# EAGLE board bat_mini_grr (EAGLE 9.1.0)
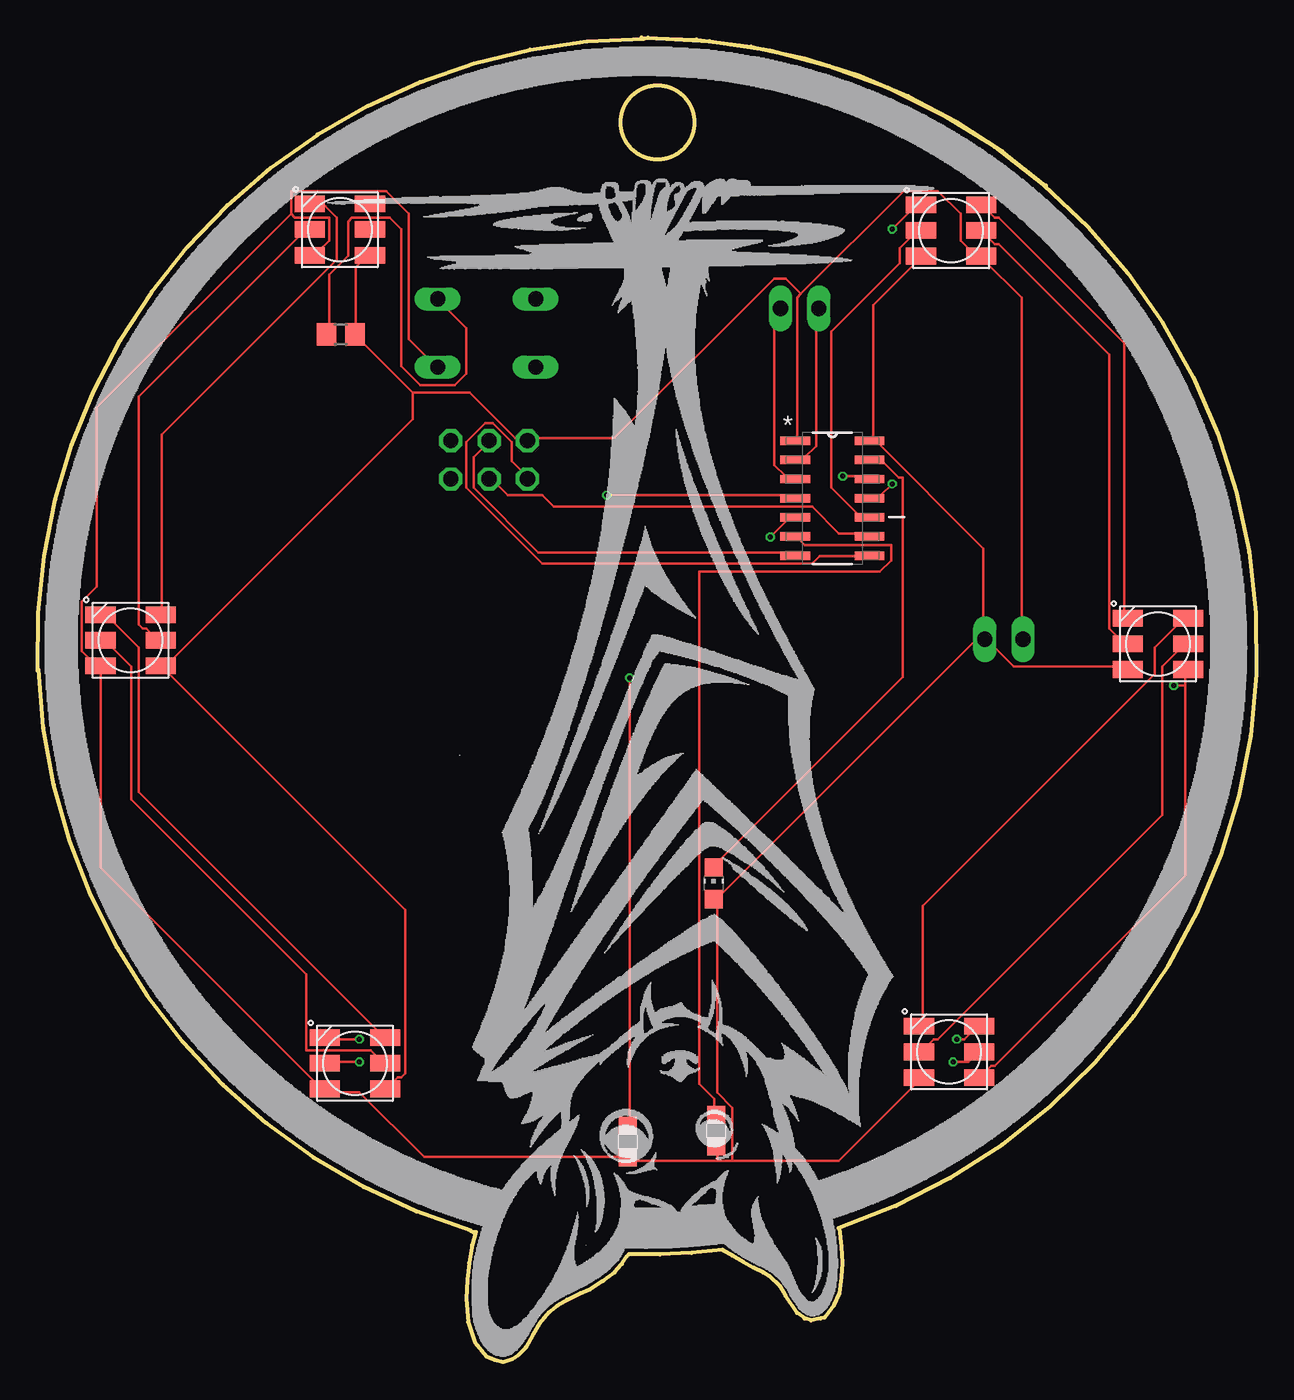
[diagram p0: board, top side]
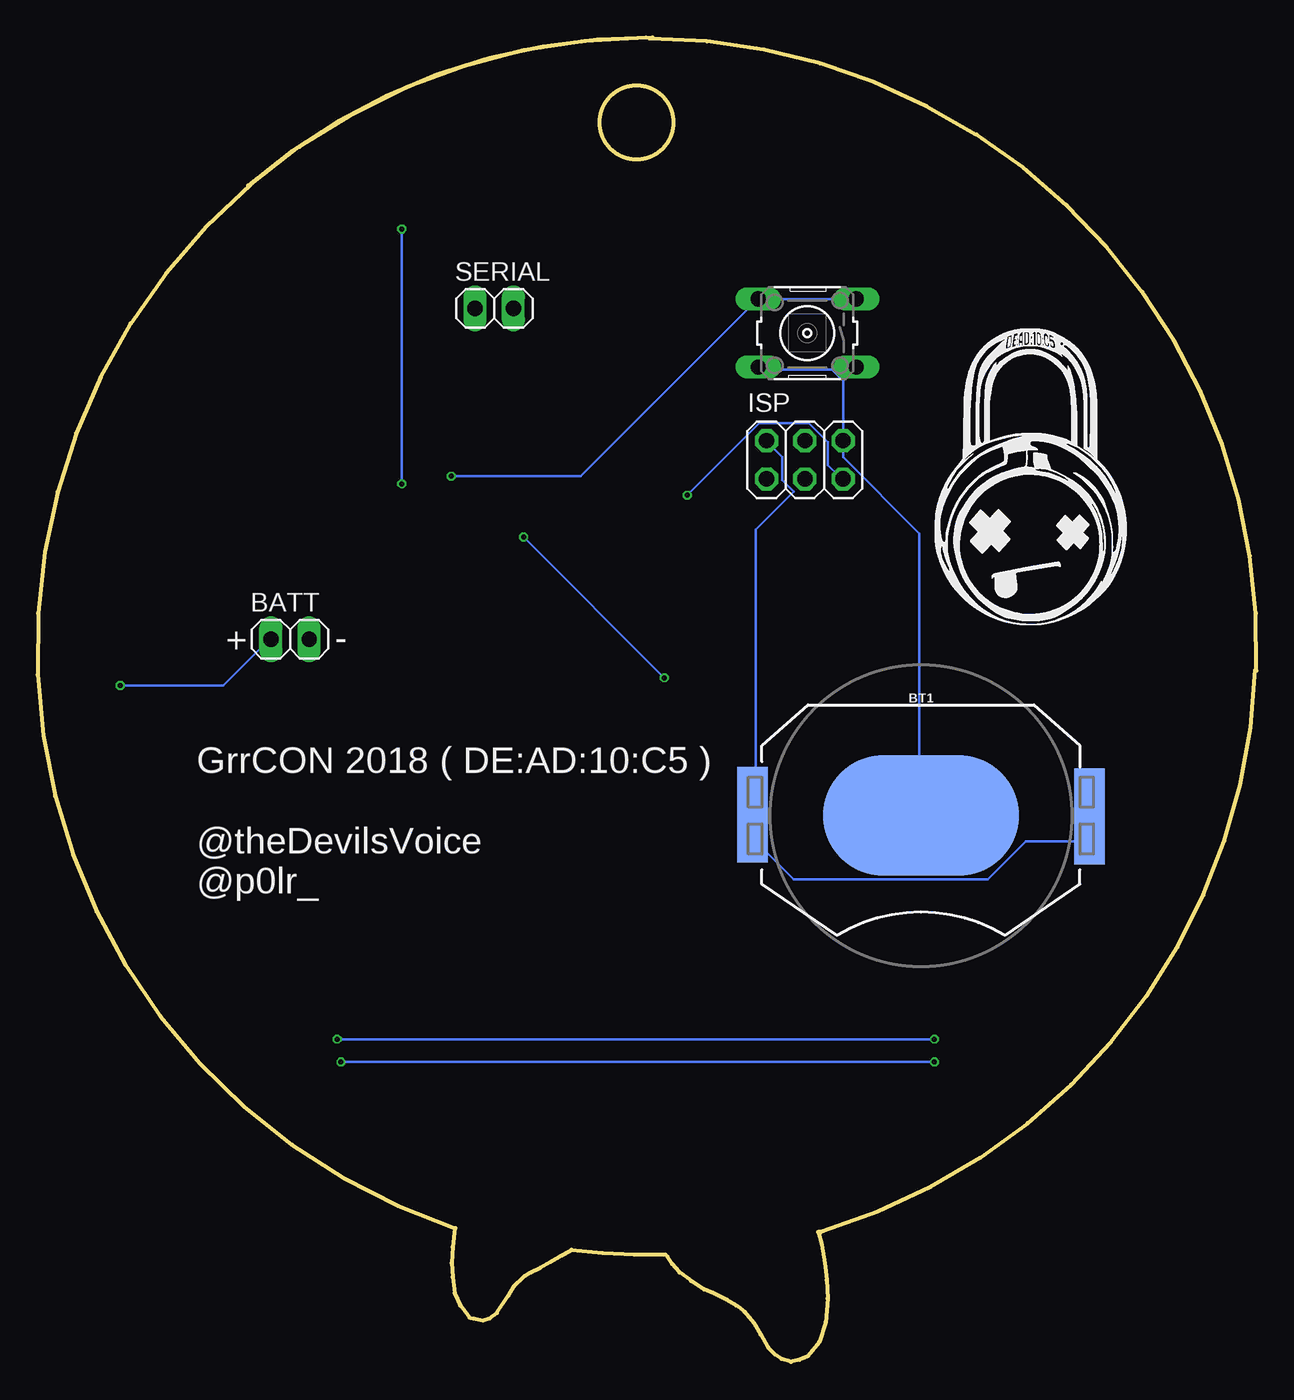
[diagram p1: board, bottom side, seen from below]

Size 80.84 x 87.88 mm. Coordinates in mm from the lower left corner, seen from the top.
Outline: 40.5,87.88 arc-161 53.12,8.88
Outline: 40.06,87.88 arc-41 66.88,78.06
Outline: 0,45.88 arc-92 40.25,87.81
Outline: 28.75,8.69 arc-71 0.06,45.94
Outline: 45.44,7.44 arc-9 39.19,7.13
Outline: 28.88,8.63 29.06,8.63 28.81,7.75 28.62,6.56 28.5,5.44 28.44,4.19 28.56,2.63 29,1.31 29.75,0.38 30.31,0.13 30.88,0 31.5,0.19 31.94,0.5 32.38,0.94 32.88,1.81 33.31,2.56 33.94,3.31 34.5,3.75 35.12,4.13 36,4.56 36.62,4.81 37.5,5.38 38.25,5.94 38.75,6.5 39.06,7
Outline: 53.19,8.88 53.31,7.63 53.38,6.56 53.31,5.63 53.19,4.56 52.81,3.75 52.19,2.94 51.94,2.88 51.31,2.75 50.88,2.88 50.38,3.25 49.62,4.38 49.25,5 48.56,5.69 48.12,5.94 47.5,6.25 46.81,6.63 46.06,7.06 45.5,7.38
Outline: circle at 41.12,82.25 radius 2.44
Copper layers (1*16): Top 0.035559375mm / dielectric 1.6mm / Bottom 0.035559375mm
Design rules "oshpark-2layer": minimum track width 6mil, minimum drill 10mil, track to track 6mil, track to pad 6mil, pad to pad 6mil, via to via 6mil, smd to smd 6mil, copper to edge 15mil, drill to drill 6mil, minimum pad ring 5mil, minimum via ring 5mil, stop-mask expansion 2.5mil, vias tented up to drill 0mil, thermal gap 10mil

## Footprints (pad centres in the part's own frame; a part is rotated, then mirrored left to right if it is on the bottom)
SOIC127P600X175-14N = smd 1.981 x 0.559: 1 -2.464,3.81; 2 -2.464,2.54; 3 -2.464,1.27; 4 -2.464,0; 5 -2.464,-1.27; 6 -2.464,-2.54; 7 -2.464,-3.81; 8 2.464,-3.81; 9 2.464,-2.54; 10 2.464,-1.27; 11 2.464,0; 12 2.464,1.27; 13 2.464,2.54; 14 2.464,3.81
1X02 = drill 1.016 long: 1 -1.27,0; 2 1.27,0
BATTCON_20MM_4LEGS = smd 13 x 8: NEGATIVE 0,0 | smd 2.032 x 3.175: POSITIVE@1 -11.176,1.651; POSITIVE@2 -11.176,-1.524; POSITIVE@3 11.176,1.524; POSITIVE@4 11.176,-1.651
CHIP-LED0805 = smd 1.2 x 1.2: A 0,-1.05; C 0,1.05
2X03 = drill 1.016 octagon: 1 -2.54,-1.27; 2 -2.54,1.27; 3 0,-1.27; 4 0,1.27; 5 2.54,-1.27; 6 2.54,1.27
R0805 = smd 1.3 x 1.5: 1 -0.95,0; 2 0.95,0
B3F-10XX = drill 1.016 long: 1 -3.251,2.261; 2 3.251,2.261; 3 -3.251,-2.261; 4 3.251,-2.261
APA102_5050 = smd 2 x 1.1: 1 2,-1.7; 2 2,0; 3 2,1.7; 4 -2,1.7; 5 -2,0; 6 -2,-1.7

## Placement (x,y rotation side)
...  ATTINY84-20SSU  [SOIC127P600X175-14N]  52.72,57.31 0 top
BATT  BATT  [1X02]  64.1,47.96 0 bottom
BT1  CR2032  [BATTCON_20MM_4LEGS]  22.25,36.25 0 bottom
HEART  0805  [CHIP-LED0805]  44.85,31.75 0 top
ISP  .  [2X03]  29.95,59.86 0 bottom
LEFT_EYE  0805  [CHIP-LED0805]  39.13,14.61 0 top
R1  470Ω  [R0805]  20.11,68.19 0 top
RIGHT_EYE  0805  [CHIP-LED0805]  45.01,15.34 0 top
S1  omron  [B3F-10XX]  29.79,68.28 180 bottom
SERIAL  pinhead 1x02  [1X02]  50.55,69.91 0 bottom
U$1  APA1025050  [APA102_5050]  60.59,75.08 0 top
U$2  APA1025050  [APA102_5050]  74.32,47.64 0 top
U$3  APA1025050  [APA102_5050]  60.46,20.57 0 top
U$5  APA1025050  [APA102_5050]  21.05,19.81 0 top
U$6  APA1025050  [APA102_5050]  6.16,47.89 0 top
U$7  APA1025050  [APA102_5050]  20.05,75.14 0 top

## Library data of the parts
... = Atmel_By_element14_Batch_1-00; OC_FARNELL: 1636955; OC_NEWARK: 03P2040; PACKAGE: SOIC-14; SUPPLIER: Atmel
BATT ISP SERIAL = pinhead
BT1 = SF_Batteries; PROD_ID: BATT-10373; SF_SKU: PRT-11892
HEART LEFT_EYE RIGHT_EYE = led
R1 = resistor
S1 = switch-omron; MPN: B3F-1000; OC_FARNELL: 176432; OC_NEWARK: 36M3542
U$1-U$3 U$5-U$7 = jos-ph

## Nets
GND: ....14 BATT.2 BT1.NEGATIVE HEART.A ISP.6 LEFT_EYE.A RIGHT_EYE.A S1.1 S1.2 U$1.6 U$2.6 U$3.6 U$5.6 U$6.6 U$7.6
N$1: ....2 SERIAL.1
N$2: ....5 LEFT_EYE.C
N$3: ....8 ISP.1
N$4: ....7 ISP.4
N$5: ....9 ISP.3
N$6: ....4 ISP.5
N$7: ....6 RIGHT_EYE.C
N$8: ....13 HEART.C
N$9: ....11 U$1.4
N$10: ....10 U$1.5
N$11: U$2.3 U$3.4
N$12: ....12 R1.1 S1.3 S1.4
N$13: U$1.3 U$2.4
N$14: U$1.2 U$2.5
N$15: ....3 SERIAL.2
N$16: U$2.2 U$3.5
N$19: U$5.3 U$6.4
N$20: U$5.2 U$6.5
N$21: U$6.3 U$7.4
N$22: U$6.2 U$7.5
N$23: U$3.3 U$5.4
N$24: U$3.2 U$5.5
VCC: ....1 BATT.1 BT1.POSITIVE@1 BT1.POSITIVE@2 BT1.POSITIVE@3 BT1.POSITIVE@4 ISP.2 R1.2 U$1.1 U$2.1 U$3.1 U$5.1 U$6.1 U$7.1

## Tracks (layer width: path | path; a pad name or v marks a point on that pad's centre or on a via)
GND
  Top 0.152: U$2.6 72.08,46.15 64.76,46.15 62.99,47.92 BATT.2 | 55.42,61.29 55.42,70.13 58.45,73.16 U$1.6 | 55.42,61.29 62.74,53.97 62.74,48.17 BATT.2 | 55.42,61.29 ....14 | 16.8,76.18 17.06,75.93 19.33,75.93 19.33,74.42 18.57,73.66 18.07,73.66 U$7.6 | 16.8,76.18 16.8,77.7 23.11,77.7 24.63,76.18 24.63,67.85 26.4,66.09 S1.1 | 46.08,13.34 53.15,13.34 58.45,18.64 U$3.6 | 46.08,13.34 45.07,13.34 | 45.07,13.34 39.27,13.34 LEFT_EYE.A 39.02,13.59 25.64,13.59 21.35,17.88 19.08,17.88 U$5.6 18.82,18.13 4.18,32.77 4.18,46.15 U$6.6 3.93,46.15 2.92,47.16 2.92,50.44 3.93,51.45 3.93,63.31 16.8,76.18 | 46.08,13.34 46.08,16.87 45.07,17.88 45.07,30.5 HEART.A 45.07,30.75 62.24,47.92 62.74,47.92 BATT.2 | 45.07,13.34 45.07,14.09 RIGHT_EYE.A
  Bottom 0.152: 27.41,65.08 27.41,61.29 ISP.6 27.41,61.04 27.41,60.03 22.36,54.98 22.36,36.3 BT1.NEGATIVE 22.11,36.05 | 27.41,65.08 26.65,65.84 S1.1 | 27.41,65.08 28.16,65.84 32.96,65.84 S1.2
N$1
  Top 0.152: ....2 50.37,60.03 50.88,60.03 51.64,60.79 51.64,69.87 SERIAL.1
N$2  (via drill 0.33)
  Top 0.152: v39.27,45.39 39.27,15.86 LEFT_EYE.C | v48.61,54.73 50.12,56.24 ....5
  Bottom 0.152: v48.61,54.73 v39.27,45.39
N$3
  Top 0.152: ....8 55.17,53.47 51.89,53.47 51.38,52.96 33.46,52.96 28.41,58.01 28.41,61.04 29.68,62.3 30.18,62.3 31.44,61.04 31.44,59.78 32.45,58.77 ISP.1
N$4
  Top 0.152: ....7 50.12,53.72 33.21,53.72 28.92,58.01 28.92,60.03 29.93,61.04 ISP.4
N$5
  Top 0.152: ....9 55.17,54.98 53.15,54.98 51.38,56.75 34.22,56.75 33.46,57.51 31.19,57.51 30.18,58.52 ISP.3
N$6  (via drill 0.33)
  Top 0.152: v37.75,57.51 50.12,57.51 ....4
  Bottom 0.152: v37.75,57.51 32.96,62.3 29.68,62.3 28.41,61.04 28.41,59.53 27.66,58.77 ISP.5
N$7
  Top 0.152: RIGHT_EYE.C 44.88,16.44 44.88,17.44 43.88,18.44 43.88,52.44 55.88,52.44 56.62,53.19 56.62,54.19 50.88,54.19 50.38,54.69 ....6
N$8
  Top 0.152: HEART.C 44.88,32.94 57.38,45.44 57.38,58.69 57.12,58.69 56.12,59.69 55.38,59.69 ....13
N$9  (via drill 0.33)
  Top 0.152: v56.68,58.26 55.93,57.51 55.42,57.51 ....11 | v56.68,75.17 58.45,76.94 U$1.4
  Bottom 0.152: v56.68,75.17 v56.68,58.26
N$10
  Top 0.152: ....10 55.17,56.24 54.41,56.24 52.65,58.01 52.65,68.36 57.19,72.9 57.19,73.91 58.45,75.17 U$1.5
N$11
  Top 0.152: U$3.4 58.7,22.42 58.7,30.25 74.1,45.64 74.1,47.41 76.12,49.43 U$2.3
N$12  (via drill 0.33)
  Top 0.152: R1.1 19.33,68.36 19.33,72.15 20.59,73.41 20.59,75.68 20.84,75.93 23.37,75.93 24.12,75.17 24.12,66.09 25.39,64.83 27.66,64.83 28.41,65.58 28.41,68.61 26.65,70.38 S1.3 | v53.4,58.77 55.17,58.77 ....12
  Bottom 0.152: S1.3 26.68,70.53 32.93,70.53 S1.4 33.21,70.38 44.82,58.77 v53.4,58.77
N$13
  Top 0.152: U$1.3 62.74,76.69 63.5,75.93 63.75,75.93 72.08,67.6 72.08,49.43 U$2.4
N$14
  Top 0.152: U$1.2 62.74,74.92 63.5,74.16 63.75,74.16 71.07,66.85 71.07,48.67 72.08,47.66 U$2.5
N$15
  Top 0.152: ....3 50.12,58.77 49.62,58.77 48.86,59.53 48.86,69.62 49.11,69.87 SERIAL.2
N$16
  Top 0.152: U$3.5 58.7,20.66 59.46,21.41 59.71,21.41 74.61,36.3 74.61,46.15 76.12,47.66 U$2.2
N$19
  Top 0.152: U$6.4 4.18,49.43 4.69,49.43 6.71,47.41 6.71,37.82 22.86,21.67 U$5.3
N$20
  Top 0.152: U$6.5 4.18,47.66 4.69,47.66 6.2,46.15 6.2,37.31 17.82,25.7 17.82,20.66 22.11,20.66 22.86,19.9 U$5.2
N$21
  Top 0.152: U$6.3 8.22,49.68 8.22,61.54 19.83,73.16 19.83,75.93 19.08,76.69 18.07,76.69 U$7.4
N$22
  Top 0.152: U$6.2 7.97,47.92 7.21,48.67 6.96,48.67 6.71,48.92 6.71,64.07 17.82,75.17 U$7.5
N$23  (via drill 0.33)
  Top 0.152: v21.35,21.41 19.08,21.41 U$5.4 | v60.98,21.41 61.48,21.41 62.24,22.17 U$3.3
  Bottom 0.152: v60.98,21.41 v21.35,21.41
N$24  (via drill 0.33)
  Top 0.152: v21.35,19.9 19.08,19.9 U$5.5 | v60.72,19.9 61.73,19.9 62.24,20.4 U$3.2
  Bottom 0.152: v60.72,19.9 v21.35,19.9
VCC  (via drill 0.33)
  Top 0.152: U$5.1 23.11,18.13 23.87,18.89 24.12,18.89 24.38,19.14 24.38,29.99 8.22,46.15 U$6.1 8.22,46.4 8.73,46.4 24.88,62.55 24.88,64.32 | U$7.1 21.85,73.41 21.1,72.65 21.1,68.36 R1.2 21.1,68.11 24.88,64.32 | 24.88,64.32 28.67,64.32 31.7,61.29 32.45,61.29 ISP.2 32.71,61.29 38.26,61.29 48.86,71.89 49.62,71.89 50.63,70.88 | 76.12,44.89 76.12,45.9 U$2.1 | 76.12,44.89 76.12,32.27 63.5,19.65 63.25,19.65 62.49,18.89 U$3.1 | 50.63,70.88 57.44,77.7 59.71,77.7 61.23,76.18 61.23,74.42 62.49,73.16 U$1.1 62.74,73.16 65.27,70.63 65.27,48.17 BATT.1 | 50.63,70.88 50.37,70.63 50.37,61.29 ....1 | v75.36,44.89 76.12,44.89
  Bottom 0.152: 11.25,37.82 BT1.POSITIVE@3 11.13,37.77 11.13,34.72 BT1.POSITIVE@4 11.25,34.54 15.29,34.54 17.82,32.01 30.69,32.01 33.21,34.54 BT1.POSITIVE@2 33.38,34.87 33.38,37.77 BT1.POSITIVE@1 33.21,38.07 33.21,55.23 30.69,57.76 31.44,58.52 31.44,60.03 32.45,61.04 ISP.2 | v75.36,44.89 68.55,44.89 65.52,47.92 BATT.1

## Text on the board
bPlace: GrrCON 2018 ( DE:AD:10:C5 ) / / @theDevilsVoice / @p0lr_ | /home/thedevilsvoice/workspace/bat_mini/art/lock_NEW_flipped.bmp
bNames: + | -